# Altium PCB MB1166.PcbDoc (part 6 of 39) (continued)
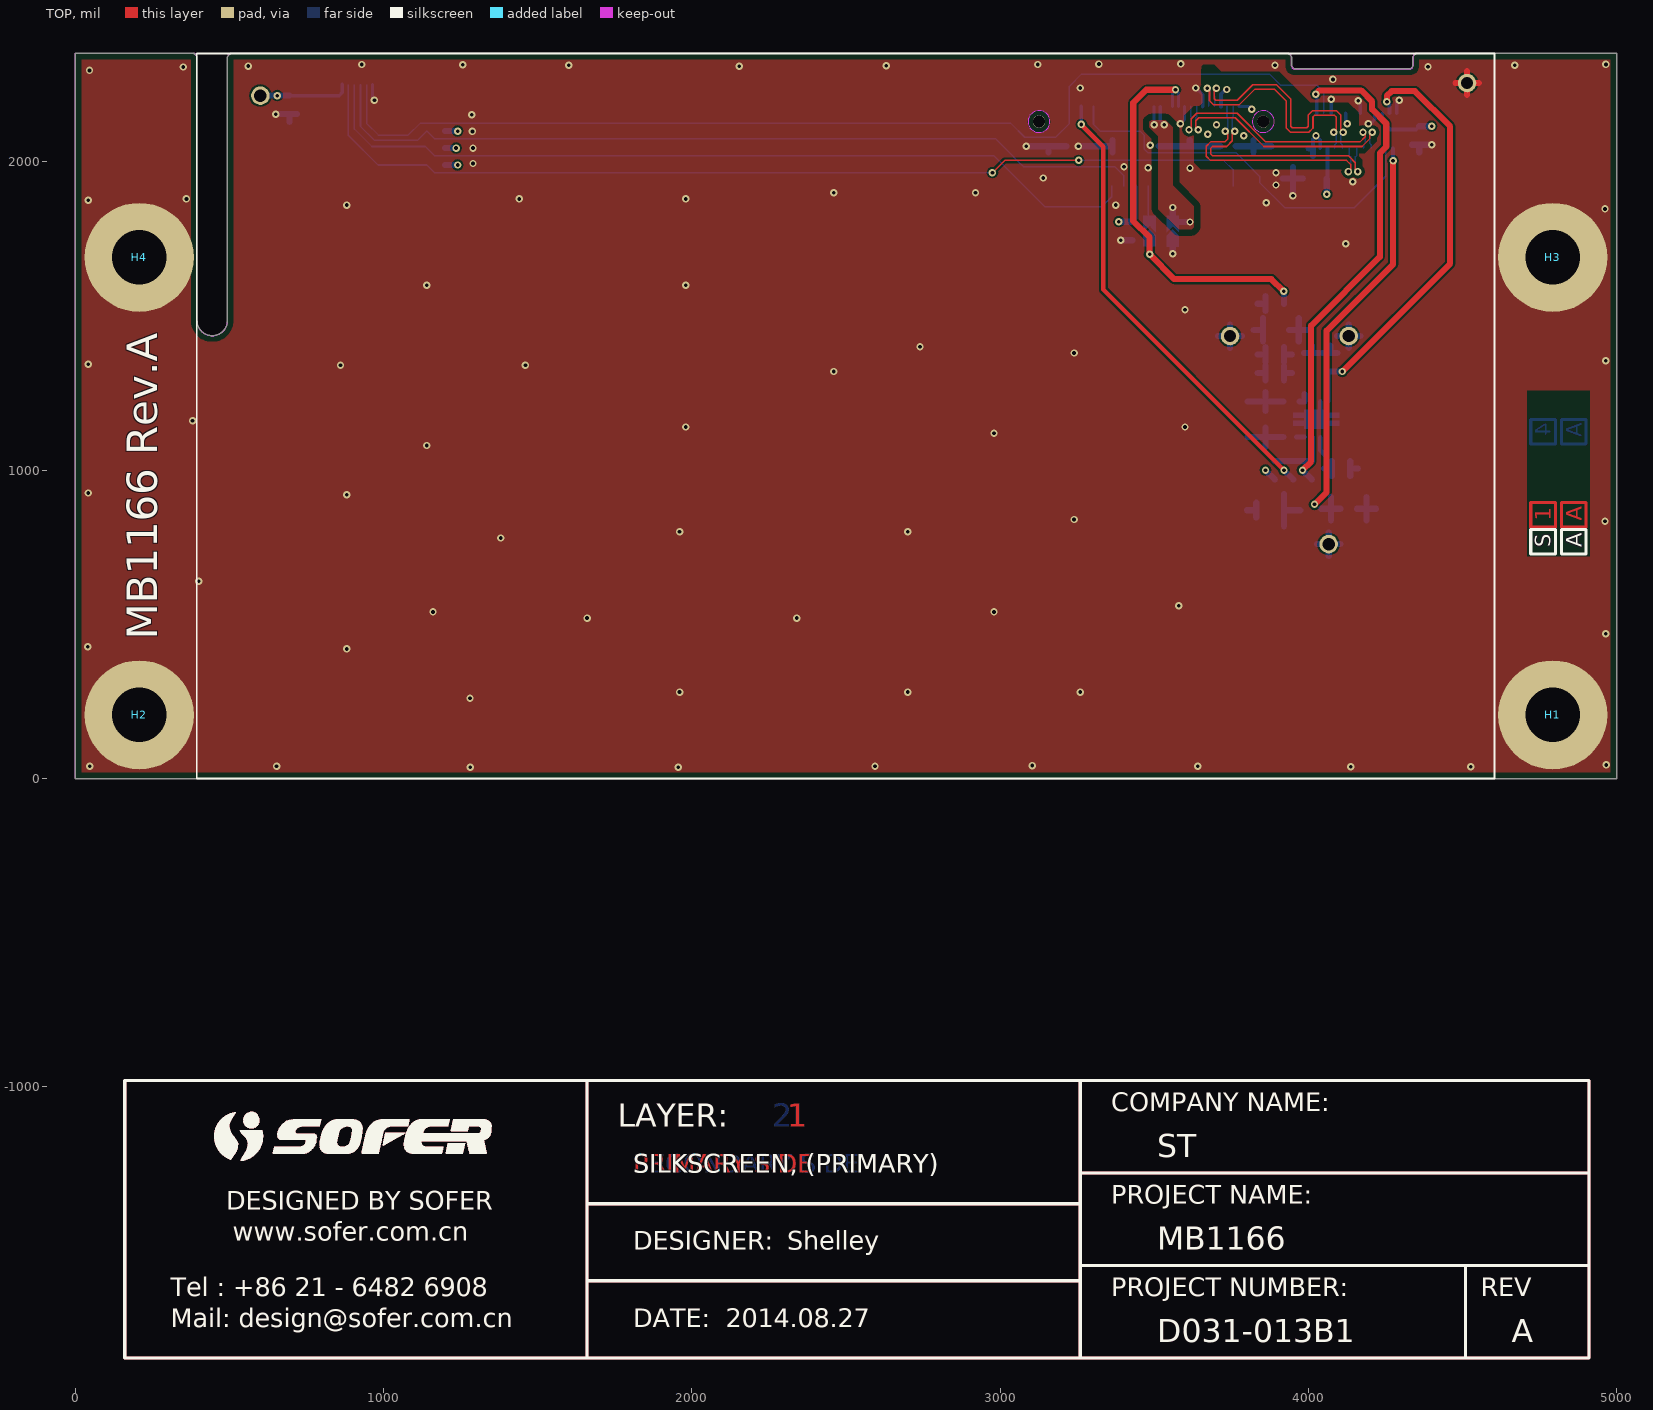
[diagram p0: TOP view]
## Nets (pads, with @x,y where several pads share a name; then routed paths per layer and width w, separated by ;. In a path a pad name is that pad's centre, name@x,y a point inside that pad or via, vN(x,y) a via of type N, cw(c..) or ccw(c..) an arc to the next point about the centre after c; other vN are vias at no path point) (continued)
916.58,-1196.16 916.63,-1196.07 ; 916.58,-1196.16 916.63,-1196.07 ; 916.63,-1196.07 916.69,-1195.99 ; 916.63,-1196.07 916.69,-1195.99 ; 916.63,-1111.62 916.71,-1111.67 ; 916.63,-1111.62 916.71,-1111.67 ; 916.69,-1195.99 916.74,-1195.91 ; 916.69,-1195.99 916.74,-1195.91 ; 916.71,-1111.67 916.79,-1111.73 ; 916.71,-1111.67 916.79,-1111.73 ; 916.74,-1195.91 916.8,-1195.82 ; 916.74,-1195.91 916.8,-1195.82 ; 916.8,-1195.82 916.85,-1195.74 ; 916.8,-1195.82 916.85,-1195.74 ; 916.79,-1111.73 916.88,-1111.78 ; 916.79,-1111.73 916.88,-1111.78 ; 916.85,-1195.74 916.91,-1195.66 ; 916.85,-1195.74 916.91,-1195.66 ; 916.91,-1195.66 916.96,-1195.57 ; 916.91,-1195.66 916.96,-1195.57 ; 916.88,-1111.78 917.44,-1112.2 ; 916.88,-1111.78 917.44,-1112.2 ; 916.96,-1195.57 917.02,-1195.49 ; 916.96,-1195.57 917.02,-1195.49 ; 917.02,-1195.49 917.07,-1195.41 ; 917.02,-1195.49 917.07,-1195.41 ; 917.07,-1195.41 917.13,-1195.32 ; 917.07,-1195.41 917.13,-1195.32 ; 917.13,-1195.32 917.18,-1195.24 ; 917.13,-1195.32 917.18,-1195.24 ; 917.18,-1195.24 917.23,-1195.15 ; 917.18,-1195.24 917.23,-1195.15 ; 917.23,-1195.15 917.29,-1195.07 ; 917.23,-1195.15 917.29,-1195.07 ; 917.29,-1195.07 917.34,-1194.98 ; 917.29,-1195.07 917.34,-1194.98 ; 917.34,-1194.98 917.39,-1194.9 ; 917.34,-1194.98 917.39,-1194.9 ; 917.39,-1194.9 917.45,-1194.81 ; 917.39,-1194.9 917.45,-1194.81 ; 917.45,-1194.81 917.5,-1194.73 ; 917.45,-1194.81 917.5,-1194.73 ; 917.44,-1112.2 917.51,-1112.27 ; 917.44,-1112.2 917.51,-1112.27 ; 917.5,-1194.73 917.55,-1194.64 ; 917.5,-1194.73 917.55,-1194.64 ; 917.51,-1112.27 917.67,-1112.39 ; 917.51,-1112.27 917.67,-1112.39 ; 917.55,-1194.64 917.6,-1194.56 ; 917.55,-1194.64 917.6,-1194.56 ; 917.6,-1194.56 917.66,-1194.47 ; 917.6,-1194.56 917.66,-1194.47 ; 917.66,-1194.47 917.71,-1194.39 ; 917.66,-1194.47 917.71,-1194.39 ; 917.67,-1112.39 917.75,-1112.46 ; 917.67,-1112.39 917.75,-1112.46 ; 917.71,-1194.39 917.76,-1194.3 ; 917.71,-1194.39 917.76,-1194.3 ; 917.76,-1194.3 917.81,-1194.22 ; 917.76,-1194.3 917.81,-1194.22 ; 917.75,-1112.46 917.82,-1112.52 ; 917.75,-1112.46 917.82,-1112.52 ; 917.81,-1194.22 917.86,-1194.13 ; 917.81,-1194.22 917.86,-1194.13 ; 917.82,-1112.52 917.9,-1112.59 ; 917.82,-1112.52 917.9,-1112.59 ; 917.86,-1194.13 917.92,-1194.05 ; 917.86,-1194.13 917.92,-1194.05 ; 917.92,-1194.05 918.02,-1193.87 ; 917.92,-1194.05 918.02,-1193.87 ; 917.9,-1112.59 917.97,-1112.65 ; 917.9,-1112.59 917.97,-1112.65 ; 917.97,-1112.65 918.05,-1112.72 ; 917.97,-1112.65 918.05,-1112.72 ; 918.02,-1193.87 918.07,-1193.79 ; 918.02,-1193.87 918.07,-1193.79 ; 918.07,-1193.79 918.12,-1193.7 ; 918.07,-1193.79 918.12,-1193.7 ; 918.05,-1112.72 918.12,-1112.79 ; 918.05,-1112.72 897.14,-1133.63 918.05,-1112.72 ; 918.05,-1112.72 918.12,-1112.79 ; 918.12,-1193.7 918.17,-1193.62 ; 918.12,-1193.7 918.17,-1193.62 ; 918.12,-1112.79 918.2,-1112.85 ; 918.12,-1112.79 918.2,-1112.85 ; 918.17,-1193.62 918.27,-1193.44 ; 918.17,-1193.62 918.27,-1193.44 ; 918.2,-1112.85 918.27,-1112.92 ; 918.2,-1112.85 918.27,-1112.92 ; 918.27,-1193.44 918.32,-1193.36 ; 918.27,-1193.44 918.32,-1193.36 ; 918.27,-1112.92 918.35,-1112.99 ; 918.27,-1112.92 918.35,-1112.99 ; 918.32,-1193.36 918.42,-1193.18 ; 918.32,-1193.36 918.42,-1193.18 ; 918.35,-1112.99 918.42,-1113.06 ; 918.35,-1112.99 918.42,-1113.06 ; 918.42,-1193.18 918.47,-1193.1 ; 918.42,-1193.18 918.47,-1193.1 ; 918.42,-1113.06 918.49,-1113.12 ; 918.42,-1113.06 918.49,-1113.12 ; 918.47,-1193.1 918.57,-1192.92 ; 918.47,-1193.1 918.57,-1192.92 ; 918.49,-1113.12 918.56,-1113.19 ; 918.49,-1113.12 918.56,-1113.19 ; 918.57,-1192.92 918.62,-1192.84 ; 918.57,-1192.92 918.62,-1192.84 ; 918.56,-1113.19 918.64,-1113.26 ; 918.56,-1113.19 918.64,-1113.26 ; 918.62,-1192.84 918.72,-1192.66 ; 918.62,-1192.84 918.72,-1192.66 ; 918.64,-1113.26 918.92,-1113.54 ; 918.64,-1113.26 918.92,-1113.54 ; 918.72,-1192.66 918.76,-1192.57 ; 918.72,-1192.66 918.76,-1192.57 ; 918.76,-1192.57 918.81,-1192.49 ; 918.76,-1192.57 918.81,-1192.49 ; 918.81,-1192.49 918.96,-1192.22 ; 918.81,-1192.49 918.96,-1192.22 ; 918.92,-1113.54 919,-1113.61 ; 918.92,-1113.54 919,-1113.61 ; 918.96,-1192.22 919,-1192.13 ; 918.96,-1192.22 919,-1192.13 ; 919,-1192.13 919.05,-1192.05 ; 919,-1192.13 919.05,-1192.05 ; 919,-1113.61 919.49,-1114.1 ; 919,-1113.61 919.49,-1114.1 ; 919.05,-1192.05 919.1,-1191.96 ; 919.05,-1192.05 919.1,-1191.96 ; 919.1,-1191.96 919.14,-1191.87 ; 919.1,-1191.96 919.14,-1191.87 ; 919.14,-1191.87 919.24,-1191.69 ; 919.14,-1191.87 919.24,-1191.69 ; 919.24,-1191.69 919.28,-1191.6 ; 919.24,-1191.69 919.28,-1191.6 ; 919.28,-1191.6 919.33,-1191.52 ; 919.28,-1191.6 919.33,-1191.52 ; 919.33,-1191.52 919.38,-1191.43 ; 919.33,-1191.52 919.38,-1191.43 ; 919.38,-1191.43 919.42,-1191.34 ; 919.38,-1191.43 919.42,-1191.34 ; 919.42,-1191.34 919.47,-1191.25 ; 919.42,-1191.34 919.47,-1191.25 ; 919.47,-1191.25 919.51,-1191.16 ; 919.47,-1191.25 919.51,-1191.16 ; 919.51,-1191.16 919.56,-1191.07 ; 919.51,-1191.16 919.56,-1191.07 ; 919.49,-1114.1 919.56,-1114.18 ; 919.49,-1114.1 919.56,-1114.18 ; 919.56,-1191.07 919.6,-1190.98 ; 919.56,-1191.07 919.6,-1190.98 ; 919.56,-1114.18 920.12,-1114.74 ; 919.56,-1114.18 920.12,-1114.74 ; 919.6,-1190.98 919.65,-1190.89 ; 919.6,-1190.98 919.65,-1190.89 ; 919.65,-1190.89 919.69,-1190.8 ; 919.65,-1190.89 919.69,-1190.8 ; 919.69,-1190.8 919.74,-1190.71 ; 919.69,-1190.8 919.74,-1190.71 ; 919.74,-1190.71 919.78,-1190.62 ; 919.74,-1190.71 919.78,-1190.62 ; 919.78,-1190.62 919.83,-1190.53 ; 919.78,-1190.62 919.83,-1190.53 ; 919.83,-1190.53 919.91,-1190.35 ; 919.83,-1190.53 919.91,-1190.35 ; 919.91,-1190.35 919.96,-1190.26 ; 919.91,-1190.35 919.96,-1190.26 ; 919.96,-1190.26 920.04,-1190.08 ; 919.96,-1190.26 920.04,-1190.08 ; 920.04,-1190.08 920.09,-1189.99 ; 920.04,-1190.08 920.09,-1189.99 ; 920.09,-1189.99 920.21,-1189.72 ; 920.09,-1189.99 920.21,-1189.72 ; 920.12,-1114.74 920.19,-1114.82 ; 920.12,-1114.74 920.19,-1114.82 ; 920.21,-1189.72 920.26,-1189.63 ; 920.21,-1189.72 920.26,-1189.63 ; 920.19,-1114.82 920.26,-1114.89 ; 920.19,-1114.82 920.26,-1114.89 ; 920.26,-1189.63 920.42,-1189.27 ; 920.26,-1189.63 920.42,-1189.27 ; 920.26,-1114.89 920.34,-1114.96 ; 920.26,-1114.89 920.34,-1114.96 ; 920.34,-1114.96 920.9,-1115.52 ; 920.34,-1114.96 920.9,-1115.52 ; 920.42,-1189.27 920.47,-1189.18 ; 920.42,-1189.27 920.47,-1189.18 ; 920.47,-1189.18 920.51,-1189.09 ; 920.47,-1189.18 920.51,-1189.09 ; 920.51,-1189.09 920.55,-1188.99 ; 920.51,-1189.09 920.55,-1188.99 ; 920.55,-1188.99 920.75,-1188.54 ; 920.55,-1188.99 920.75,-1188.54 ; 920.75,-1188.54 920.79,-1188.44 ; 920.75,-1188.54 920.79,-1188.44 ; 920.79,-1188.44 920.95,-1188.08 ; 920.79,-1188.44 920.95,-1188.08 ; 920.9,-1115.52 920.98,-1115.59 ; 920.9,-1115.52 920.98,-1115.59 ; 920.95,-1188.08 920.98,-1187.98 ; 920.95,-1188.08 920.98,-1187.98 ; 920.98,-1187.98 921.14,-1187.62 ; 920.98,-1187.98 921.14,-1187.62 ; 920.98,-1115.59 921.61,-1116.22 ; 920.98,-1115.59 921.61,-1116.22 ; 921.14,-1187.62 921.18,-1187.52 ; 921.14,-1187.62 921.18,-1187.52 ; 921.18,-1187.52 921.21,-1187.43 ; 921.18,-1187.52 921.21,-1187.43 ; 921.21,-1187.43 921.29,-1187.25 ; 921.21,-1187.43 921.29,-1187.25 ; 921.29,-1187.25 921.33,-1187.15 ; 921.29,-1187.25 921.33,-1187.15 ; 921.33,-1187.15 921.36,-1187.06 ; 921.33,-1187.15 921.36,-1187.06 ; 921.36,-1187.06 921.4,-1186.97 ; 921.36,-1187.06 921.4,-1186.97 ; 921.4,-1186.97 921.44,-1186.87 ; 921.4,-1186.97 921.44,-1186.87 ; 921.44,-1186.87 921.47,-1186.78 ; 921.44,-1186.87 921.47,-1186.78 ; 921.47,-1186.78 921.51,-1186.69 ; 921.47,-1186.78 921.51,-1186.69 ; 921.51,-1186.69 921.55,-1186.59 ; 921.51,-1186.69 921.55,-1186.59 ; 921.55,-1186.59 921.58,-1186.5 ; 921.55,-1186.59 921.58,-1186.5 ; 921.58,-1186.5 921.62,-1186.41 ; 921.58,-1186.5 921.62,-1186.41 ; 921.62,-1186.41 921.65,-1186.31 ; 921.62,-1186.41 921.65,-1186.31 ; 921.61,-1116.22 921.69,-1116.29 ; 921.61,-1116.22 921.69,-1116.29 ; 921.65,-1186.31 921.73,-1186.13 ; 921.65,-1186.31 921.73,-1186.13 ; 921.69,-1116.29 921.76,-1116.37 ; 921.69,-1116.29 921.76,-1116.37 ; 921.73,-1186.13 921.76,-1186.03 ; 921.73,-1186.13 921.76,-1186.03 ; 921.76,-1186.03 921.8,-1185.94 ; 921.76,-1186.03 921.8,-1185.94 ; 921.76,-1116.37 921.97,-1116.58 ; 921.76,-1116.37 921.97,-1116.58 ; 921.8,-1185.94 921.83,-1185.85 ; 921.8,-1185.94 921.83,-1185.85 ; 921.83,-1185.85 921.87,-1185.75 ; 921.83,-1185.85 921.87,-1185.75 ; 921.87,-1185.75 921.9,-1185.66 ; 921.87,-1185.75 921.9,-1185.66 ; 921.9,-1185.66 921.94,-1185.57 ; 921.9,-1185.66 921.94,-1185.57 ; 921.94,-1185.57 921.97,-1185.47 ; 921.94,-1185.57 921.97,-1185.47 ; 921.97,-1185.47 922,-1185.38 ; 921.97,-1185.47 922,-1185.38 ; 921.97,-1116.58 922.03,-1116.65 ; 921.97,-1116.58 922.03,-1116.65 ; 922,-1185.38 922.04,-1185.28 ; 922,-1185.38 922.04,-1185.28 ; 922.04,-1185.28 922.07,-1185.19 ; 922.04,-1185.28 922.07,-1185.19 ; 922.07,-1185.19 922.11,-1185.1 ; 922.07,-1185.19 922.11,-1185.1 ; 922.03,-1116.65 922.1,-1116.72 ; 922.03,-1116.65 922.1,-1116.72 ; 922.11,-1185.1 922.14,-1185 ; 922.11,-1185.1 922.14,-1185 ; 922.1,-1116.72 922.17,-1116.8 ; 922.1,-1116.72 922.17,-1116.8 ; 922.14,-1185 922.18,-1184.91 ; 922.14,-1185 922.18,-1184.91 ; 922.17,-1116.8 922.31,-1116.94 ; 922.17,-1116.8 922.31,-1116.94 ; 922.18,-1184.91 922.21,-1184.81 ; 922.18,-1184.91 922.21,-1184.81 ; 922.21,-1184.81 922.24,-1184.72 ; 922.21,-1184.81 922.24,-1184.72 ; 922.24,-1184.72 922.28,-1184.63 ; 922.24,-1184.72 922.28,-1184.63 ; 922.28,-1184.63 922.31,-1184.53 ; 922.28,-1184.63 922.31,-1184.53 ; 922.31,-1184.53 922.34,-1184.44 ; 922.31,-1184.53 922.34,-1184.44 ; 922.31,-1116.94 922.38,-1117.02 ; 922.31,-1116.94 922.38,-1117.02 ; 922.34,-1184.44 922.38,-1184.34 ; 922.34,-1184.44 922.38,-1184.34 ; 922.38,-1184.34 922.41,-1184.25 ; 922.38,-1184.34 922.41,-1184.25 ; 922.41,-1184.25 922.44,-1184.15 ; 922.41,-1184.25 922.44,-1184.15 ; 922.38,-1117.02 922.45,-1117.09 ; 922.38,-1117.02 922.45,-1117.09 ; 922.44,-1184.15 922.48,-1184.06 ; 922.44,-1184.15 922.48,-1184.06 ; 922.45,-1117.09 922.51,-1117.16 ; 922.45,-1117.09 922.51,-1117.16 ; 922.48,-1184.06 922.51,-1183.96 ; 922.48,-1184.06 922.51,-1183.96 ; 922.51,-1183.96 922.57,-1183.78 ; 922.51,-1183.96 922.57,-1183.78 ; 922.51,-1117.16 922.58,-1117.24 ; 922.51,-1117.16 922.58,-1117.24 ; 922.57,-1183.78 922.61,-1183.68 ; 922.57,-1183.78 922.61,-1183.68 ; 922.61,-1183.68 922.64,-1183.59 ; 922.61,-1183.68 922.64,-1183.59 ; 922.58,-1117.24 922.65,-1117.31 ; 922.58,-1117.24 922.65,-1117.31 ; 922.64,-1183.59 922.67,-1183.49 ; 922.64,-1183.59 922.67,-1183.49 ; 922.67,-1183.49 922.7,-1183.4 ; 922.67,-1183.49 922.7,-1183.4 ; 922.65,-1117.31 922.71,-1117.39 ; 922.65,-1117.31 922.71,-1117.39 ; 922.7,-1183.4 922.74,-1183.3 ; 922.7,-1183.4 922.74,-1183.3 ; 922.71,-1117.39 922.78,-1117.46 ; 922.71,-1117.39 922.78,-1117.46 ; 922.74,-1183.3 922.77,-1183.21 ; 922.74,-1183.3 922.77,-1183.21 ; 922.77,-1183.21 922.8,-1183.11 ; 922.77,-1183.21 922.8,-1183.11 ; 922.8,-1183.11 922.83,-1183.02 ; 922.8,-1183.11 922.83,-1183.02 ; 922.78,-1117.46 922.84,-1117.54 ; 922.78,-1117.46 922.84,-1117.54 ; 922.83,-1183.02 922.86,-1182.92 ; 922.83,-1183.02 922.86,-1182.92 ; 922.86,-1182.92 922.9,-1182.83 ; 922.86,-1182.92 922.9,-1182.83 ; 922.84,-1117.54 922.91,-1117.61 ; 922.84,-1117.54 922.91,-1117.61 ; 922.9,-1182.83 922.93,-1182.73 ; 922.9,-1182.83 922.93,-1182.73 ; 922.91,-1117.61 922.97,-1117.69 ; 922.91,-1117.61 922.97,-1117.69 ; 922.93,-1182.73 922.96,-1182.64 ; 922.93,-1182.73 922.96,-1182.64 ; 922.96,-1182.64 922.99,-1182.54 ; 922.96,-1182.64 922.99,-1182.54 ; 922.97,-1117.69 923.04,-1117.77 ; 922.97,-1117.69 923.04,-1117.77 ; 922.99,-1182.54 923.02,-1182.45 ; 922.99,-1182.54 923.02,-1182.45 ; 923.02,-1182.45 923.05,-1182.35 ; 923.02,-1182.45 923.05,-1182.35 ; 923.05,-1182.35 923.08,-1182.26 ; 923.05,-1182.35 923.08,-1182.26 ; 923.04,-1117.77 923.1,-1117.85 ; 923.04,-1117.77 923.1,-1117.85 ; 923.08,-1182.26 923.12,-1182.16 ; 923.08,-1182.26 923.12,-1182.16 ; 923.12,-1182.16 923.15,-1182.07 ; 923.12,-1182.16 923.15,-1182.07 ; 923.1,-1117.85 923.16,-1117.92 ; 923.1,-1117.85 923.16,-1117.92 ; 923.15,-1182.07 923.18,-1181.97 ; 923.15,-1182.07 923.18,-1181.97 ; 923.16,-1117.92 923.22,-1118 ; 923.16,-1117.92 923.22,-1118 ; 923.18,-1181.97 923.21,-1181.88 ; 923.18,-1181.97 923.21,-1181.88 ; 923.21,-1181.88 923.24,-1181.78 ; 923.21,-1181.88 923.24,-1181.78 ; 923.22,-1118 923.29,-1118.08 ; 923.22,-1118 923.29,-1118.08 ; 923.24,-1181.78 923.27,-1181.69 ; 923.24,-1181.78 923.27,-1181.69 ; 923.27,-1181.69 923.3,-1181.59 ; 923.27,-1181.69 923.3,-1181.59 ; 923.3,-1181.59 923.33,-1181.5 ; 923.3,-1181.59 923.33,-1181.5 ; 923.29,-1118.08 923.53,-1118.4 ; 923.29,-1118.08 923.53,-1118.4 ; 923.33,-1181.5 923.36,-1181.4 ; 923.33,-1181.5 923.36,-1181.4 ; 923.36,-1181.4 923.4,-1181.31 ; 923.36,-1181.4 923.4,-1181.31 ; 923.4,-1181.31 923.43,-1181.21 ; 923.4,-1181.31 923.43,-1181.21 ; 923.43,-1181.21 923.46,-1181.12 ; 923.43,-1181.21 923.46,-1181.12 ; 923.46,-1181.12 923.49,-1181.02 ; 923.46,-1181.12 923.49,-1181.02 ; 923.49,-1181.02 923.52,-1180.93 ; 923.49,-1181.02 923.52,-1180.93 ; 923.52,-1180.93 923.55,-1180.83 ; 923.52,-1180.93 923.55,-1180.83 ; 923.55,-1180.83 923.58,-1180.74 ; 923.55,-1180.83 923.58,-1180.74 ; 923.53,-1118.4 923.58,-1118.48 ; 923.53,-1118.4 923.58,-1118.48 ; 923.58,-1180.74 923.61,-1180.64 ; 923.58,-1180.74 923.61,-1180.64 ; 923.61,-1180.64 923.64,-1180.55 ; 923.61,-1180.64 923.64,-1180.55 ; 923.58,-1118.48 923.64,-1118.56 ; 923.58,-1118.48 923.64,-1118.56 ; 923.64,-1180.55 923.67,-1180.45 ; 923.64,-1180.55 923.67,-1180.45 ; 923.67,-1180.45 923.7,-1180.36 ; 923.67,-1180.45 923.7,-1180.36 ; 923.64,-1118.56 923.7,-1118.65 ; 923.64,-1118.56 923.7,-1118.65 ; 923.7,-1180.36 923.73,-1180.26 ; 923.7,-1180.36 923.73,-1180.26 ; 923.7,-1118.65 923.76,-1118.73 ; 923.7,-1118.65 923.76,-1118.73 ; 923.73,-1180.26 923.76,-1180.17 ; 923.73,-1180.26 923.76,-1180.17 ; 923.76,-1180.17 923.82,-1179.97 ; 923.76,-1180.17 923.82,-1179.97 ; 923.76,-1118.73 923.81,-1118.81 ; 923.76,-1118.73 923.81,-1118.81 ; 923.82,-1179.97 923.85,-1179.88 ; 923.82,-1179.97 923.85,-1179.88 ; 923.81,-1118.81 923.87,-1118.89 ; 923.81,-1118.81 923.87,-1118.89 ; 923.85,-1179.88 923.88,-1179.78 ; 923.85,-1179.88 923.88,-1179.78 ; 923.87,-1118.89 923.92,-1118.98 ; 923.87,-1118.89 923.92,-1118.98 ; 923.88,-1179.78 923.91,-1179.69 ; 923.88,-1179.78 923.91,-1179.69 ; 923.91,-1179.69 923.94,-1179.59 ; 923.91,-1179.69 923.94,-1179.59 ; 923.92,-1118.98 923.98,-1119.06 ; 923.92,-1118.98 923.98,-1119.06 ; 923.94,-1179.59 923.97,-1179.5 ; 923.94,-1179.59 923.97,-1179.5 ; 923.97,-1179.5 924,-1179.4 ; 923.97,-1179.5 924,-1179.4 ; 924,-1179.4 924.02,-1179.31 ; 924,-1179.4 924.02,-1179.31 ; 924.02,-1179.31 924.08,-1179.11 ; 924.02,-1179.31 924.08,-1179.11 ; 923.98,-1119.06 924.03,-1119.15 ; 923.98,-1119.06 924.03,-1119.15 ; 924.03,-1119.15 924.08,-1119.23 ; 924.03,-1119.15 924.08,-1119.23 ; 924.08,-1179.11 924.11,-1179.02 ; 924.08,-1179.11 924.11,-1179.02 ; 924.11,-1179.02 924.14,-1178.92 ; 924.11,-1179.02 924.14,-1178.92 ; 924.08,-1119.23 924.14,-1119.31 ; 924.08,-1119.23 924.14,-1119.31 ; 924.14,-1178.92 924.17,-1178.83 ; 924.14,-1178.92 924.17,-1178.83 ; 924.17,-1178.83 924.23,-1178.63 ; 924.17,-1178.83 924.23,-1178.63 ; 924.14,-1119.31 924.19,-1119.4 ; 924.14,-1119.31 924.19,-1119.4 ; 924.19,-1119.4 924.24,-1119.48 ; 924.19,-1119.4 924.24,-1119.48 ; 924.23,-1178.63 924.25,-1178.54 ; 924.23,-1178.63 924.25,-1178.54 ; 924.25,-1178.54 924.28,-1178.44 ; 924.25,-1178.54 924.28,-1178.44 ; 924.24,-1119.48 924.3,-1119.57 ; 924.24,-1119.48 924.3,-1119.57 ; 924.28,-1178.44 924.31,-1178.35 ; 924.28,-1178.44 924.31,-1178.35 ; 924.31,-1178.35 924.37,-1178.15 ; 924.31,-1178.35 924.37,-1178.15 ; 924.3,-1119.57 924.35,-1119.65 ; 924.3,-1119.57 924.35,-1119.65 ; 924.37,-1178.15 924.39,-1178.06 ; 924.37,-1178.15 924.39,-1178.06 ; 924.35,-1119.65 924.45,-1119.83 ; 924.35,-1119.65 924.45,-1119.83 ; 924.39,-1178.06 924.42,-1177.96 ; 924.39,-1178.06 924.42,-1177.96 ; 924.42,-1177.96 924.45,-1177.87 ; 924.42,-1177.96 924.45,-1177.87 ; 924.45,-1177.87 924.48,-1177.77 ; 924.45,-1177.87 924.48,-1177.77 ; 924.45,-1119.83 924.5,-1119.91 ; 924.45,-1119.83 924.5,-1119.91 ; 924.48,-1177.77 924.5,-1177.67 ; 924.48,-1177.77 924.5,-1177.67 ; 924.5,-1177.67 924.53,-1177.58 ; 924.5,-1177.67 924.53,-1177.58 ; 924.5,-1119.91 924.55,-1120 ; 924.5,-1119.91 924.55,-1120 ; 924.53,-1177.58 924.56,-1177.48 ; 924.53,-1177.58 924.56,-1177.48 ; 924.56,-1177.48 924.58,-1177.39 ; 924.56,-1177.48 924.58,-1177.39 ; 924.55,-1120 924.61,-1120.08 ; 924.55,-1120 924.61,-1120.08 ; 924.58,-1177.39 924.64,-1177.19 ; 924.58,-1177.39 924.64,-1177.19 ; 924.61,-1120.08 924.71,-1120.26 ; 924.61,-1120.08 924.71,-1120.26 ; 924.64,-1177.19 924.66,-1177.1 ; 924.64,-1177.19 924.66,-1177.1 ; 924.66,-1177.1 924.72,-1176.9 ; 924.66,-1177.1 924.72,-1176.9 ; 924.72,-1176.9 924.74,-1176.81 ; 924.72,-1176.9 924.74,-1176.81 ; 924.71,-1120.26 924.76,-1120.34 ; 924.71,-1120.26 924.76,-1120.34 ; 924.74,-1176.81 924.77,-1176.71 ; 924.74,-1176.81 924.77,-1176.71 ; 924.77,-1176.71 924.79,-1176.61 ; 924.77,-1176.71 924.79,-1176.61 ; 924.76,-1120.34 924.81,-1120.43 ; 924.76,-1120.34 924.81,-1120.43 ; 924.79,-1176.61 924.82,-1176.52 ; 924.79,-1176.61 924.82,-1176.52 ; 924.82,-1176.52 924.84,-1176.42 ; 924.82,-1176.52 924.84,-1176.42 ; 924.81,-1120.43 924.86,-1120.51 ; 924.81,-1120.43 924.86,-1120.51 ; 924.84,-1176.42 924.87,-1176.32 ; 924.84,-1176.42 924.87,-1176.32 ; 924.87,-1176.32 924.89,-1176.23 ; 924.87,-1176.32 924.89,-1176.23 ; 924.86,-1120.51 924.96,-1120.69 ; 924.86,-1120.51 924.96,-1120.69 ; 924.89,-1176.23 924.92,-1176.13 ; 924.89,-1176.23 924.92,-1176.13 ; 924.92,-1176.13 924.94,-1176.03 ; 924.92,-1176.13 924.94,-1176.03 ; 924.94,-1176.03 924.97,-1175.94 ; 924.94,-1176.03 924.97,-1175.94 ; 924.97,-1175.94 924.99,-1175.84 ; 924.97,-1175.94 924.99,-1175.84 ; 924.96,-1120.69 925.01,-1120.77 ; 924.96,-1120.69 925.01,-1120.77 ; 924.99,-1175.84 925.02,-1175.74 ; 924.99,-1175.84 925.02,-1175.74 ; 925.02,-1175.74 925.04,-1175.64 ; 925.02,-1175.74 925.04,-1175.64 ; 925.01,-1120.77 925.11,-1120.95 ; 925.01,-1120.77 925.11,-1120.95 ; 925.04,-1175.64 925.07,-1175.55 ; 925.04,-1175.64 925.07,-1175.55 ; 925.07,-1175.55 925.11,-1175.35 ; 925.07,-1175.55 925.11,-1175.35 ; 925.11,-1175.35 925.14,-1175.26 ; 925.11,-1175.35 925.14,-1175.26 ; 925.11,-1120.95 925.16,-1121.03 ; 925.11,-1120.95 925.16,-1121.03 ; 925.14,-1175.26 925.18,-1175.06 ; 925.14,-1175.26 925.18,-1175.06 ; 925.16,-1121.03 925.21,-1121.12 ; 925.16,-1121.03 925.21,-1121.12 ; 925.18,-1175.06 925.21,-1174.96 ; 925.18,-1175.06 925.21,-1174.96 ; 925.21,-1174.96 925.23,-1174.87 ; 925.21,-1174.96 925.23,-1174.87 ; 925.21,-1121.12 925.27,-1121.2 ; 925.21,-1121.12 925.27,-1121.2 ; 925.23,-1174.87 925.25,-1174.77 ; 925.23,-1174.87 925.25,-1174.77 ; 925.25,-1174.77 925.28,-1174.67 ; 925.25,-1174.77 925.28,-1174.67 ; 925.27,-1121.2 925.32,-1121.29 ; 925.27,-1121.2 925.32,-1121.29 ; 925.28,-1174.67 925.3,-1174.57 ; 925.28,-1174.67 925.3,-1174.57 ; 925.3,-1174.57 925.32,-1174.48 ; 925.3,-1174.57 925.32,-1174.48 ; 925.32,-1174.48 925.36,-1174.28 ; 925.32,-1174.48 925.36,-1174.28 ; 925.32,-1121.29 925.37,-1121.37 ; 925.32,-1121.29 925.37,-1121.37 ; 925.36,-1174.28 925.39,-1174.18 ; 925.36,-1174.28 925.39,-1174.18 ; 925.37,-1121.37 925.47,-1121.55 ; 925.37,-1121.37 925.47,-1121.55 ; 925.39,-1174.18 925.41,-1174.09 ; 925.39,-1174.18 925.41,-1174.09 ; 925.41,-1174.09 925.47,-1173.79 ; 925.41,-1174.09 925.47,-1173.79 ; 925.47,-1173.79 925.49,-1173.7 ; 925.47,-1173.79 925.49,-1173.7 ; 925.47,-1121.55 925.53,-1121.63 ; 925.47,-1121.55 925.53,-1121.63 ; 925.49,-1173.7 925.57,-1173.3 ; 925.49,-1173.7 925.57,-1173.3 ; 925.57,-1173.3 925.59,-1173.21 ; 925.57,-1173.3 925.59,-1173.21 ; 925.53,-1121.63 925.58,-1121.72 ; 925.53,-1121.63 925.58,-1121.72 ; 925.59,-1173.21 925.67,-1172.81 ; 925.59,-1173.21 925.67,-1172.81 ; 925.58,-1121.72 925.63,-1121.8 ; 925.58,-1121.72 925.63,-1121.8 ; 925.67,-1172.81 925.69,-1172.72 ; 925.67,-1172.81 925.69,-1172.72 ; 925.63,-1121.8 925.68,-1121.89 ; 925.63,-1121.8 925.68,-1121.89 ; 925.69,-1172.72 925.77,-1172.32 ; 925.69,-1172.72 925.77,-1172.32 ; 925.68,-1121.89 925.73,-1121.97 ; 925.68,-1121.89 925.73,-1121.97 ; 925.77,-1172.32 925.78,-1172.22 ; 925.77,-1172.32 925.78,-1172.22 ; 925.73,-1121.97 925.79,-1122.06 ; 925.73,-1121.97 925.79,-1122.06 ; 925.78,-1172.22 925.8,-1172.13 ; 925.78,-1172.22 925.8,-1172.13 ; 925.8,-1172.13 925.88,-1171.73 ; 925.8,-1172.13 925.88,-1171.73 ; 925.79,-1122.06 925.84,-1122.14 ; 925.79,-1122.06 925.84,-1122.14 ; 925.84,-1122.14 925.89,-1122.23 ; 925.84,-1122.14 925.89,-1122.23 ; 925.88,-1171.73 925.9,-1171.64 ; 925.88,-1171.73 925.9,-1171.64 ; 925.9,-1171.64 925.92,-1171.54 ; 925.9,-1171.64 925.92,-1171.54 ; 925.92,-1171.54 925.93,-1171.44 ; 925.92,-1171.54 925.93,-1171.44 ; 925.89,-1122.23 925.94,-1122.31 ; 925.89,-1122.23 925.94,-1122.31 ; 925.93,-1171.44 925.99,-1171.14 ; 925.93,-1171.44 925.99,-1171.14 ; 925.94,-1122.31 926.04,-1122.49 ; 925.94,-1122.31 926.04,-1122.49 ; 925.99,-1171.14 926.01,-1171.05 ; 925.99,-1171.14 926.01,-1171.05 ; 926.01,-1171.05 926.07,-1170.75 ; 926.01,-1171.05 926.07,-1170.75 ; 926.07,-1170.75 926.08,-1170.65 ; 926.07,-1170.75 926.08,-1170.65 ; 926.04,-1122.49 926.1,-1122.57 ; 926.04,-1122.49 926.1,-1122.57 ; 926.08,-1170.65 926.1,-1170.55 ; 926.08,-1170.65 926.1,-1170.55 ; 926.1,-1170.55 926.12,-1170.46 ; 926.1,-1170.55 926.12,-1170.46 ; 926.12,-1170.46 926.2,-1170.06 ; 926.12,-1170.46 926.2,-1170.06 ; 926.1,-1122.57 926.15,-1122.66 ; 926.1,-1122.57 926.15,-1122.66 ; 926.15,-1122.66 926.2,-1122.74 ; 926.15,-1122.66 926.2,-1122.74 ; 926.2,-1170.06 926.22,-1169.97 ; 926.2,-1170.06 926.22,-1169.97 ; 926.22,-1169.97 926.3,-1169.57 ; 926.22,-1169.97 926.3,-1169.57 ; 926.2,-1122.74 926.3,-1122.92 ; 926.2,-1122.74 926.3,-1122.92 ; 926.3,-1169.57 926.32,-1169.48 ; 926.3,-1169.57 879.53,-1216.34 926.3,-1169.57 ; 926.3,-1169.57 926.32,-1169.48 ; 926.32,-1169.48 926.38,-1169.18 ; 926.32,-1169.48 926.38,-1169.18 ; 926.3,-1122.92 926.35,-1123 ; 926.3,-1122.92 926.35,-1123 ; 926.35,-1123 926.45,-1123.18 ; 926.35,-1123 926.45,-1123.18 ; 926.38,-1169.18 926.41,-1169.09 ; 926.38,-1169.18 926.41,-1169.09 ; 926.41,-1169.09 926.47,-1168.79 ; 926.41,-1169.09 926.47,-1168.79 ; 926.47,-1168.79 926.49,-1168.7 ; 926.47,-1168.79 926.49,-1168.7 ; 926.45,-1123.18 926.5,-1123.26 ; 926.45,-1123.18 926.5,-1123.26 ; 926.49,-1168.7 926.51,-1168.6 ; 926.49,-1168.7 926.51,-1168.6 ; 926.51,-1168.6 926.54,-1168.5 ; 926.51,-1168.6 926.54,-1168.5 ; 926.5,-1123.26 926.55,-1123.35 ; 926.5,-1123.26 926.55,-1123.35 ; 926.54,-1168.5 926.56,-1168.4 ; 926.54,-1168.5 926.56,-1168.4 ; 926.56,-1168.4 926.58,-1168.31 ; 926.56,-1168.4 926.58,-1168.31 ; 926.55,-1123.35 926.59,-1123.44 ; 926.55,-1123.35 926.59,-1123.44 ; 926.58,-1168.31 926.6,-1168.21 ; 926.58,-1168.31 926.6,-1168.21 ; 926.6,-1168.21 926.63,-1168.11 ; 926.6,-1168.21 926.63,-1168.11 ; 926.59,-1123.44 926.64,-1123.53 ; 926.59,-1123.44 926.64,-1123.53 ; 926.63,-1168.11 926.65,-1168.01 ; 926.63,-1168.11 926.65,-1168.01 ; 926.65,-1168.01 926.67,-1167.92 ; 926.65,-1168.01 926.67,-1167.92 ; 926.67,-1167.92 926.69,-1167.82 ; 926.67,-1167.92 926.69,-1167.82 ; 926.64,-1123.53 926.69,-1123.61 ; 926.64,-1123.53 926.69,-1123.61 ; 926.69,-1167.82 926.72,-1167.72 ; 926.69,-1167.82 926.72,-1167.72 ; 926.72,-1167.72 926.74,-1167.62 ; 926.72,-1167.72 926.74,-1167.62 ; 926.69,-1123.61 926.73,-1123.7 ; 926.69,-1123.61 926.73,-1123.7 ; 926.74,-1167.62 926.76,-1167.53 ; 926.74,-1167.62 926.76,-1167.53 ; 926.76,-1167.53 926.79,-1167.43 ; 926.76,-1167.53 926.79,-1167.43 ; 926.73,-1123.7 926.83,-1123.88 ; 926.73,-1123.7 926.83,-1123.88 ; 926.79,-1167.43 926.83,-1167.23 ; 926.79,-1167.43 926.83,-1167.23 ; 926.83,-1167.23 926.86,-1167.14 ; 926.83,-1167.23 926.86,-1167.14 ; 926.86,-1167.14 926.9,-1166.94 ; 926.86,-1167.14 926.9,-1166.94 ; 926.83,-1123.88 926.91,-1124.06 ; 926.83,-1123.88 926.91,-1124.06 ; 926.9,-1166.94 926.93,-1166.85 ; 926.9,-1166.94 926.93,-1166.85 ; 926.91,-1124.06 926.96,-1124.15 ; 926.91,-1124.06 898.33,-1152.64 926.91,-1124.06 ; 926.91,-1124.06 926.96,-1124.15 ; 926.93,-1166.85 926.97,-1166.65 ; 926.93,-1166.85 926.97,-1166.65 ; 926.97,-1166.65 927,-1166.55 ; 926.97,-1166.66 877.28,-1216.34 926.97,-1166.66 ; 926.97,-1166.65 927,-1166.55 ; 926.96,-1124.15 927.12,-1124.51 ; 926.96,-1124.15 927.12,-1124.51 ; 927,-1166.55 927.02,-1166.46 ; 927,-1166.55 927.02,-1166.46 ; 927.02,-1166.46 927.05,-1166.36 ; 927.02,-1166.46 927.05,-1166.36 ; 927.05,-1166.36 927.07,-1166.26 ; 927.05,-1166.36 927.07,-1166.26 ; 927.07,-1166.26 927.09,-1166.17 ; 927.07,-1166.26 927.09,-1166.17 ; 927.09,-1166.17 927.12,-1166.07 ; 927.09,-1166.17 927.12,-1166.07 ; 927.12,-1166.07 927.16,-1165.87 ; 927.12,-1166.07 927.16,-1165.87 ; 927.12,-1124.51 927.16,-1124.61 ; 927.12,-1124.51 927.16,-1124.61 ; 927.16,-1165.87 927.19,-1165.78 ; 927.16,-1165.87 927.19,-1165.78 ; 927.16,-1124.61 927.28,-1124.88 ; 927.16,-1124.61 927.28,-1124.88 ; 927.19,-1165.78 927.21,-1165.68 ; 927.19,-1165.78 927.21,-1165.68 ; 927.21,-1165.68 927.24,-1165.58 ; 927.21,-1165.68 927.24,-1165.58 ; 927.24,-1165.58 927.26,-1165.49 ; 927.24,-1165.58 927.26,-1165.49 ; 927.26,-1165.49 927.29,-1165.39 ; 927.26,-1165.49 927.29,-1165.39 ; 927.29,-1165.39 927.31,-1165.29 ; 927.29,-1165.39 927.31,-1165.29 ; 927.31,-1165.29 927.33,-1165.2 ; 927.31,-1165.29 927.33,-1165.2 ; 927.31,-1124.98 927.28,-1124.88 ; 927.31,-1124.98 927.35,-1125.07 ; 927.31,-1124.98 927.28,-1124.88 ; 927.31,-1124.98 927.35,-1125.07 ; 927.33,-1165.2 927.36,-1165.1 ; 927.33,-1165.2 927.36,-1165.1 ; 927.36,-1165.1 927.38,-1165 ; 927.36,-1165.1 927.38,-1165 ; 927.35,-1125.07 927.38,-1125.17 ; 927.35,-1125.07 927.38,-1125.17 ; 927.38,-1165 927.41,-1164.9 ; 927.38,-1165 927.41,-1164.9 ; 927.41,-1164.9 927.43,-1164.81 ; 927.41,-1164.9 927.43,-1164.81 ; 927.41,-1125.26 927.38,-1125.17 ; 927.41,-1125.26 927.45,-1125.35 ; 927.41,-1125.26 927.38,-1125.17 ; 927.41,-1125.26 927.45,-1125.35 ; 927.43,-1164.81 927.45,-1164.71 ; 927.43,-1164.81 927.45,-1164.71 ; 927.45,-1164.71 927.48,-1164.61 ; 927.45,-1164.71 927.48,-1164.61 ; 927.45,-1125.35 927.48,-1125.45 ; 927.45,-1125.35 927.48,-1125.45 ; 927.48,-1164.61 927.5,-1164.52 ; 927.48,-1164.61 927.5,-1164.52 ; 927.5,-1164.52 927.53,-1164.42 ; 927.5,-1164.52 927.53,-1164.42 ; 927.51,-1125.54 927.48,-1125.45 ; 927.51,-1125.54 927.54,-1125.64 ; 927.51,-1125.54 927.48,-1125.45 ; 927.51,-1125.54 927.54,-1125.64 ; 927.53,-1164.42 927.57,-1164.22 ; 927.53,-1164.42 927.57,-1164.22 ; 927.57,-1164.22 927.6,-1164.13 ; 927.57,-1164.22 927.6,-1164.13 ; 927.57,-1125.73 927.54,-1125.64 ; 927.57,-1125.73 927.63,-1125.93 ; 927.57,-1125.73 927.54,-1125.64 ; 927.57,-1125.73 927.63,-1125.93 ; 927.6,-1164.13 927.64,-1163.93 ; 927.6,-1164.13 927.64,-1163.93 ; 927.64,-1163.93 927.67,-1163.84 ; 927.64,-1163.93 927.67,-1163.84 ; 927.67,-1163.84 927.69,-1163.74 ; 927.67,-1163.84 927.69,-1163.74 ; 927.66,-1126.02 927.63,-1125.93 ; 927.66,-1126.02 927.68,-1126.12 ; 927.66,-1126.02 927.63,-1125.93 ; 927.66,-1126.02 927.68,-1126.12 ; 927.69,-1163.74 927.72,-1163.64 ; 927.69,-1163.74 927.72,-1163.64 ; 927.72,-1163.64 927.74,-1163.54 ; 927.72,-1163.64 927.74,-1163.54 ; 927.71,-1126.21 927.68,-1126.12 ; 927.71,-1126.21 927.74,-1126.31 ; 927.71,-1126.21 927.68,-1126.12 ; 927.71,-1126.21 927.74,-1126.31 ; 927.74,-1163.54 927.76,-1163.45 ; 927.74,-1163.54 927.76,-1163.45 ; 927.76,-1163.45 927.79,-1163.35 ; 927.76,-1163.45 927.79,-1163.35 ; 927.76,-1126.41 927.74,-1126.31 ; 927.76,-1126.41 927.79,-1126.5 ; 927.76,-1126.41 927.74,-1126.31 ; 927.76,-1126.41 927.79,-1126.5 ; 927.79,-1163.35 927.81,-1163.25 ; 927.79,-1163.35 927.81,-1163.25 ; 927.81,-1163.25 927.83,-1163.16 ; 927.81,-1163.25 927.83,-1163.16 ; 927.82,-1126.6 927.79,-1126.5 ; 927.82,-1126.6 927.84,-1126.7 ; 927.82,-1126.6 927.79,-1126.5 ; 927.82,-1126.6 927.84,-1126.7 ; 927.83,-1163.16 927.85,-1163.06 ; 927.83,-1163.16 927.85,-1163.06 ; 927.85,-1163.06 927.88,-1162.96 ; 927.85,-1163.06 927.88,-1162.96 ; 927.87,-1126.79 927.84,-1126.7 ; 927.87,-1126.79 927.9,-1126.89 ; 927.87,-1126.79 927.84,-1126.7